# Altium PCB PCBA-2075-01.PcbDoc (part 2 of 2) (continued)
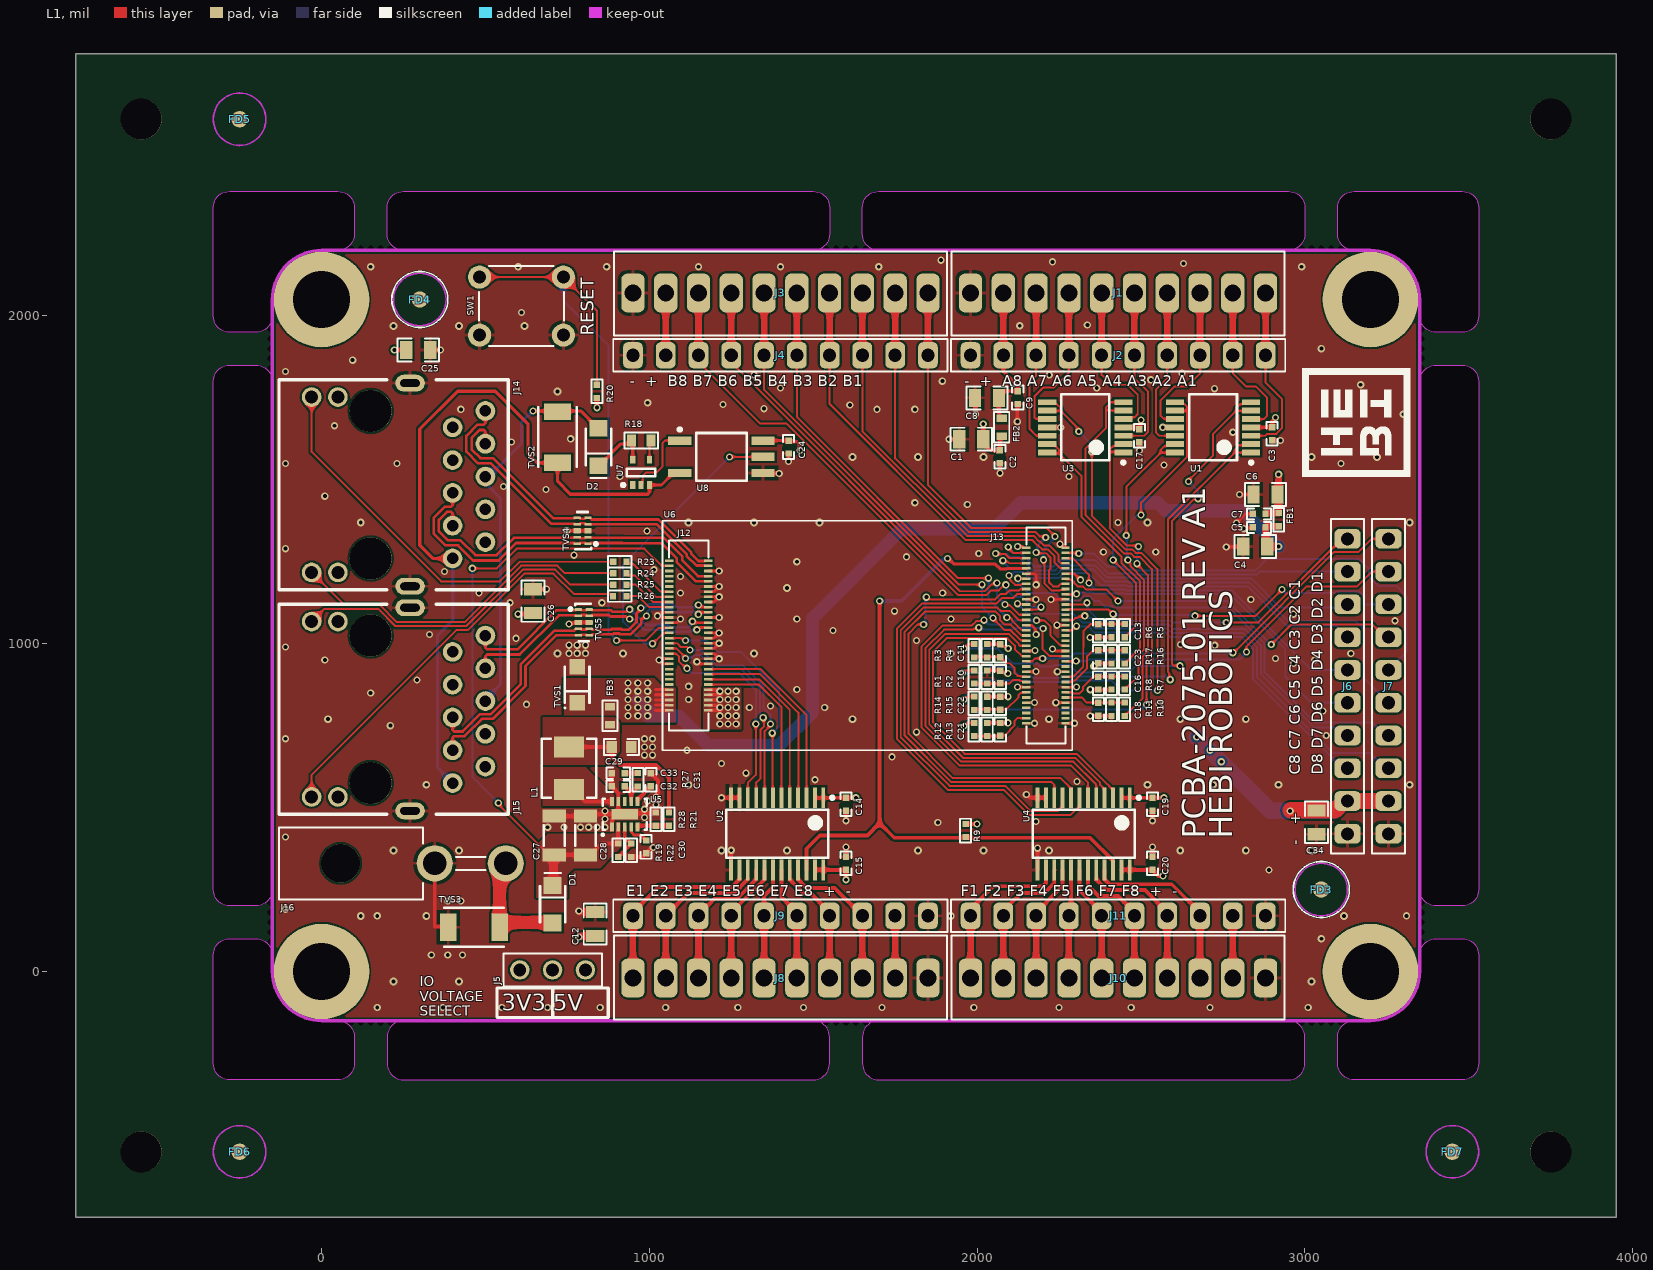
[diagram p0: L1 view]
## Nets (pads, with @x,y where several pads share a name; then routed paths per layer and width w, separated by ;. In a path a pad name is that pad's centre, name@x,y a point inside that pad or via, vN(x,y) a via of type N, cw(c..) or ccw(c..) an arc to the next point about the centre after c; other vN are vias at no path point) (continued)
PC9_PA9: J7.4 J13.13 U6.A13 | length 1112.3
  L1 w6: J13.13@2269.65,1198.23 2272.39,1195.48 2286.17,1195.48 2291.44,1190.21 2291.44,1190 2295,1190 2295,1186.72 2306.72,1175 2322.77,1175 2332.84,1164.93 2395.07,1164.93 v1(2430,1130) ; v1(2897.37,997.37) 2959,1059 3206,1059 3245,1020 J7.4@3255,1020
  L4 w6: v1(2430,1130) 2764.75,1130 v1(2897.37,997.37)
PC13: J12.34 U2.8 U6.B34 | length 700.2
  L1 w6: J12.34@1059.37,1001.38 1084.59,1001.38 1095.97,990 1115,990 1124.32,980.68 v1(1124.4,980.76) ; U2.8@1351.61,530.24 1351.61,733.36 1370,751.75 v1(1370,755)
  L4 w6: v1(1124.4,980.76) 1158.24,980.76 1204.87,934.13 1284.81,934.13 1349,869.94 1349,802.42 1370,781.42 v1(1370,755)
PD0_PD6: J6.7 J13.29 U6.A29 | length 1068.2
  L1 w6: J13.29@2269.65,1072.24 2293.32,1072.24 2298.93,1077.86 2304.56,1077.86 2309.46,1082.76 2326.15,1082.76 v1(2328.39,1085)
  L4 w6: v1(2328.39,1085) 2332.72,1085 2339.9,1077.82 2347.71,1077.82 2367.53,1058 2585.14,1058 2598.14,1045 2815.76,1045 2865.37,995.38 2865.37,907.66 3028.03,745 3089.49,745 3114.49,720 J6.7@3130,720
PD1_PD5: J6.8 J13.33 U6.A33 | length 1098.9
  L1 w6: J13.33@2269.65,1040.75 2288.61,1040.75 2301.28,1053.41 v1(2303.41,1053.41)
  L4 w6: v1(2303.41,1053.41) 2303.82,1053 2338.59,1053 2357.59,1034 2575.2,1034 2588.2,1021 2805.81,1021 2841.37,985.44 2841.37,893.63 3115,620 J6.8@3130,620
PD12_PB14: J6.1 J13.23 U6.A23 | length 1003.4
  L1 w6: J13.23@2269.65,1119.49 2325.16,1119.49 2330.67,1125 v1(2335,1125) ; v1(2760,1065) 2858.03,1065 3085.03,1292 3085.51,1292 3113.51,1320 J6.1@3130,1320
  L4 w6: v1(2335,1125) 2337.5,1122.5 2337.5,1105 2372.5,1070 2590.11,1070 2595.11,1065 v1(2760,1065)
PD13: J6.2 J13.4 U6.A4 | length 1156.3
  L1 w6: v1(2095,1295) 2095,1291.46 2109.5,1276.97 J13.4@2150.35,1276.97
  L4 w6: v1(2095,1295) 2095,1291.46 2109.5,1276.97 2133.03,1276.97 2174.06,1235.94 2233.94,1235.94 2253,1255 2360,1255 2401.21,1213.79 2470.96,1213.79 2473.75,1211 2852.97,1211 2861.97,1220 J6.2@3130,1220
PD14: J6.3 J13.6 U6.A6 | length 1257.9
  L1 w6: v1(2056.64,1275.15) 2058.41,1273.38 2086.62,1273.38 2098.78,1261.22 J13.6@2150.35,1261.22
  L4 w6: v1(2056.64,1275.15) 2058.41,1273.38 2092.59,1273.38 2101,1264.97 2127.03,1264.97 2148.6,1243.4 2149.63,1243.4 2169.09,1223.94 2238.94,1223.94 2254,1239 2359.03,1239 2396.24,1201.79 2465.99,1201.79 2468.77,1199 2836,1199 2925,1110 3120,1110 J6.3@3130,1120
PD15: J13.10 R9.2 U2.22 U4.22 U6.A10 | length 2341
  L1 w10: v1(1910,1260) 1912.77,1260 1929.77,1243 2055.89,1243 2070.89,1228 2089.11,1228 2090.84,1229.72 J13.10@2150.35,1229.72
  L1 w12: 1479.66,349.66 1479.66,309.86 U2.22@1479.57,309.76 1479.57,374.57 1520,415 1665,415 1702.67,452.67 ; v1(1702.67,1130) 1702.67,452.67 ; U4.22@2414.57,309.76 2414.57,338.55 2345,408.12 1965,408.12 1747.22,408.12 1702.67,452.67
  L4 w12: v1(1702.67,1130) 1770,1130 1898.09,1258.09 1908.09,1258.09 v1(1910,1260)
PE2: J12.45 U2.4 U6.B45 | length 584
  L1 w6: J12.45@1179.65,906.89 1338.11,906.89 1455,790 1455,546.02 1453.98,545 U2.4@1453.98,530.24
PE3: J12.43 U2.3 U6.B43 | length 609.2
  L1 w6: J12.43@1180.63,922.64 1339.33,922.64 1479.57,782.4 U2.3@1479.57,530.24
PE4: J12.47 U2.5 U6.B47 | length 554.4
  L1 w6: J12.47@1180.63,891.14 1335.83,891.14 1428.39,798.58 U2.5@1428.39,530.24
PE7: J3.5 J4.5 J13.34 U6.A34 | length 1388.5
  L1 w6: J4.5@1450,1880 1450,1691.72 1941.72,1200 v1(2035,1200) ; v1(2090.57,1080) 2093.63,1076.94 2103.93,1076.94 2105.5,1075.37 2106.2,1075.37 2106.2,1071.12 2135.58,1041.75 2149.35,1041.75 J13.34@2150.35,1040.75
  L1 w20: J4.5@1450,1880 J3.5@1450,2070
  L4 w6: v1(2035,1200) 2035,1135.57 v1(2090.57,1080)
PE8_PF11: J3.6 J4.6 J13.38 U6.A38 | length 1453.5
  L1 w6: J4.6@1350,1880 1350,1774.75 1944.75,1180 v1(2015,1180) ; v1(2048.54,1078) 2048.54,1076.78 2083.72,1041.59 2101.8,1041.59 2133.13,1010.25 2149.35,1010.25 J13.38@2150.35,1009.25
  L1 w20: J4.6@1350,1880 J3.6@1350,2070
  L4 w6: v1(2015,1180) 2015,1111.54 v1(2048.54,1078)
PE9: J13.36 U4.10 U6.A36 | length 1308.7
  L1 w6: J13.36@2150.35,1025 2149.35,1026 2134.36,1026 2102.33,1058.03 2084.25,1058.03 2069.55,1072.73 2069.55,1085.27 2056.82,1098 1841.03,1098 1779,1035.97 1779,719.94 1920.94,578 2227,578 2235.43,569.57 U4.10@2235.43,530.24
PE10: J3.7 J4.7 J13.28 U6.A28 | length 1475.6
  L1 w6: J4.7@1250,1880 1269.59,1860.41 1269.59,1838.18 1947.77,1160 2023.28,1160 2045.22,1181.94 2056.94,1181.94 v1(2060,1185) ; v1(2085,1120) 2088.06,1116.94 2100.08,1116.94 2129.03,1087.99 J13.28@2150.35,1087.99
  L1 w20: J4.7@1250,1880 J3.7@1250,2070
  L4 w6: v1(2060,1185) 2060,1145 v1(2085,1120)
PE11: J13.30 U4.9 U6.A30 | length 1371.7
  L1 w6: J13.30@2149.37,1072.24 2127.81,1072.24 2100.05,1100 2071.79,1100 2061.79,1110 1836.06,1110 1767,1040.94 1767,714.97 1915.97,566 2085.97,566 2162.23,489.74 2246.12,489.74 2261.02,504.65 U4.9@2261.02,530.24
PE12: J7.8 J13.24 U6.A24 | length 1421.6
  L1 w6: v1(2123.26,1122.05) 2124.82,1120.49 2149.35,1120.49 J13.24@2150.35,1119.49
  L4 w6: v1(2123.26,1122.05) 2153.86,1091.44 2293.67,1091.44 2320.11,1065 2343.56,1065 2362.56,1046 2580.17,1046 2593.17,1033 2810.79,1033 2853.37,990.41 2853.37,898.6 3084.67,667.3 3197.7,667.3 3245,620 J7.8@3255,620
PE13: J13.18 U4.8 U6.A18 | length 1363.2
  L1 w6: v1(1836.94,1058.93) 1818.93,1058.93 1791,1031 1791,724.91 1925.91,590 2255,590 2283.71,561.29 2283.71,533.14 U4.8@2286.61,530.24 ; v1(1845,1142) 1849.33,1142 1856.33,1135 2054.75,1135 2071.75,1152 2088.08,1152 2099.07,1162.98 2128.28,1162.98 2132.03,1166.73 J13.18@2149.37,1166.73
  L4 w6: v1(1836.94,1058.93) 1836.94,1060.95 1842.5,1066.51 1842.5,1139.5 v1(1845,1142)
PE14: J13.20 U4.7 U6.A20 | length 1464.9
  L1 w6: J13.20@2150.35,1150.98 2121.63,1150.98 2110.65,1140 2076.72,1140 2058.72,1122 1831.09,1122 1755,1045.91 1755,710 1911,554 2081,554 2157.26,477.74 2285.3,477.74 2312.2,504.65 U4.7@2312.2,530.24
PF2: J12.49 U2.6 U6.B49 | length 527.4
  L1 w6: J12.49@1180.63,875.39 1334.61,875.39 1402.8,807.2 U2.6@1402.8,530.24
PF6: J12.38 U2.10 U6.B38 | length 659.6
  L1 w6: J12.38@1059.37,969.88 1081.39,969.88 1090,961.27 1090,946.72 1111.72,925 v1(1115,925) ; U2.10@1300.43,530.24 1300.43,575.43 1325,600 v1(1325,755)
  L4 w6: v1(1115,925) 1129.87,910.13 1274.87,910.13 1325,860 v1(1325,755)
PF7_ADC3_CH5: J13.67 U6.A67
PF8_ADC3_CH6: J13.60 U6.A60
PF9_ADC3_CH7: J13.65 U6.A65
PF10_ADC3_CH8: J13.63 U6.A63
PG9_PF0: J13.35 U6.A35
PG12: J13.37 U6.A37
PG13_PB4: J13.39 U4.6 U6.A39 | length 1402.8
  L1 w6: v1(2021.23,1071.73) 2018.41,1068.91 1996.72,1068.91 1982.8,1055 1894.09,1055 1830,990.91 1830,745 1947,628 2287,628 2337.8,577.2 U4.6@2337.8,530.24 ; v1(2180.83,1071.44) 2204.78,1071.44 2223.5,1052.71 2223.5,1025.87 2255.38,994 J13.39@2270.14,994
  L4 w6: v1(2021.23,1071.73) 2022.06,1071.73 2035.78,1058 2101.17,1058 2114.61,1071.44 v1(2180.83,1071.44)
PG14_PB5: J13.43 U4.5 U6.A43 | length 1405.3
  L1 w6: v1(2005,1048.91) 2001.94,1045.85 1990.62,1045.85 1987.77,1043 1899.06,1043 1842,985.94 1842,749.97 1951.97,640 2293.83,640 2363.39,570.45 U4.5@2363.39,530.24 ; v1(2201.59,1046.34) 2200.15,1044.89 2200.15,983.13 2221.28,962.01 J13.43@2269.65,962.01 J13.43@2270.14,962.5
  L4 w6: v1(2005,1048.91) 2009.33,1048.91 2014.63,1043.61 2108.79,1043.61 2113.52,1048.34 2199.6,1048.34 v1(2201.59,1046.34)
PG15: J12.36 U2.9 U6.B36 | length 679.6
  L1 w6: J12.36@1059.37,985.63 1082.61,985.63 1110,958.24 v1(1110,955) ; U2.9@1326.02,530.24 1326.02,576.02 1339.61,589.61 1339.61,738.33 1350,748.72 1350,771.72 v1(1347.38,774.34)
  L4 w6: v1@1116.94,958.06 1129.78,958.06 1136.72,965 1157.03,965 1199.89,922.13 1279.84,922.13 1337,864.97 1337,785.86 1347.38,775.48 v1(1347.38,774.34)
PH4_PI7: J13.47 U6.A47
PH5_PF1: J13.48 U6.A48
PH6_PH12: J3.8 J4.8 J13.26 U6.A26 | length 1646.2
  L1 w6: J4.8@1150,1880 1169.59,1860.41 1169.59,1840.41 1338.35,1671.65 1419.15,1671.65 1942.8,1148 2028.25,1148 2043.25,1163 2066.54,1163 2083.15,1179.61 v1(2087.48,1179.61) ; J13.26@2150.35,1103.74 2182.97,1103.74 2190.67,1111.44 v1(2195,1111.44)
  L1 w20: J4.8@1150,1880 J3.8@1150,2070
  L4 w6: v1(2087.48,1179.61) 2089.58,1177.51 2089.58,1165.42 2112.95,1142.05 2137.95,1142.05 2168.56,1111.44 v1(2195,1111.44)
PH7_PH11: J7.3 J13.25 U6.A25 | length 1064
  L1 w6: J13.25@2269.65,1103.74 2270.91,1105 2400,1105 v1(2415,1090) ; v1(2665,1085) 2849.75,1085 v1(2929.87,1165.13)
  L4 w6: v1(2415,1090) 2417.5,1087.5 2662.5,1087.5 v1(2665,1085) ; v1(2929.87,1165.13) 2940,1155 3091.06,1155 3095.06,1159 3164.94,1159 3179,1144.94 3179,1120 J7.3@3255,1120
PH8_PH10: J13.27 U6.A27
PH9_PB15: J7.6 J13.8 U6.A8 | length 1534.2
  L1 w6: v1(2078.34,1253.38) 2081.4,1250.32 2092.71,1250.32 2097.56,1245.47 J13.8@2150.35,1245.47
  L4 w6: v1(2078.34,1253.38) 2078.34,1251.66 2098.6,1231.4 2144.66,1231.4 2164.12,1211.94 2243.91,1211.94 2258.97,1227 2354.06,1227 2391.27,1189.79 2461.02,1189.79 2463.8,1187 2829.97,1187 2946.97,1070 3153.94,1070 3179,1044.94 3179,896 3225.41,849.59 3225.41,846.09 3251.49,820 J7.6@3255,820
PH13_PD3: J3.1 J4.1 J13.17 U6.A17 | length 1271.7
  L1 w6: J4.1@1850,1880 1850,1485 1982.03,1352.97 2212.03,1352.97 v1(2237.67,1327.33) ; v1(2202.37,1255.94) 2205,1253.31 2205,1184.6 2226.6,1163 2252.14,1163 2253.12,1163.98 2266.9,1163.98 J13.17@2269.65,1166.73
  L1 w20: J4.1@1850,1880 J3.1@1850,2070
  L4 w6: v1(2202.37,1255.94) 2202.15,1256.16 2202.15,1286.04 2224.29,1308.18 2224.29,1311.01 2237.67,1324.39 v1(2237.67,1327.33)
PH14_PA10: J3.4 J4.4 J13.9 U6.A9 | length 1277.4
  L1 w6: J4.4@1550,1880 1550,1731.26 1964.29,1316.97 2167.4,1316.97 2184.99,1299.38 2186.95,1299.38 2198.4,1287.94 2215.62,1287.94 2235.85,1267.71 2235.85,1248.52 2253.65,1230.72 2268.65,1230.72 J13.9@2269.65,1229.72
  L1 w20: J4.4@1550,1880 J3.4@1550,2070
PH15_PD2: J3.2 J4.2 J13.15 U6.A15 | length 1308.1
  L1 w6: J4.2@1750,1880 1750,1565.2 1974.23,1340.97 2177.35,1340.97 2190.81,1327.51 2206.38,1327.51 v1(2209.44,1324.44) ; v1(2180.15,1277.9) 2182.11,1275.94 2210.65,1275.94 2223.85,1262.74 2223.85,1229.23 2219.85,1225.23 2219.85,1186.72 2231.57,1175 2248.13,1175 2255.62,1182.48 J13.15@2269.65,1182.48
  L1 w20: J4.2@1750,1880 J3.2@1750,2070
  L4 w6: v1(2180.15,1277.9) 2183.21,1280.96 2183.21,1298.21 v1(2209.44,1324.44)
PI1_PA11: J3.3 J4.3 J13.7 U6.A7 | length 1219.5
  L1 w6: J4.3@1650,1880 1650,1648.23 1969.26,1328.97 2172.37,1328.97 2189.96,1311.38 2191.92,1311.38 2203.37,1299.94 2220.59,1299.94 2247.85,1272.68 2247.85,1253.49 2254.87,1246.47 2268.65,1246.47 J13.7@2269.65,1245.47
  L1 w20: J4.3@1650,1880 J3.3@1650,2070
PI2_PA12: J7.5 J13.3 U6.A3 | length 1388.1
  L1 w6: J13.3@2269.65,1276.97 2308.03,1276.97 v1(2310,1275)
  L4 w6: v1(2310,1275) 2356.97,1275 2396.97,1235 2444.97,1235 2454.18,1225.79 2475.93,1225.79 2478.72,1223 2848,1223 2884,1259 3164.94,1259 3195,1228.94 3195,1206.06 3225.53,1175.53 3279.47,1175.53 3310,1145 3310,975 3284.59,949.59 3284.59,946.09 3258.51,920 J7.5@3255,920
PI3: J6.6 J13.19 U6.A19 | length 1053.1
  L1 w6: J13.19@2269.65,1150.98 2270.63,1150 2303.04,1150 v1(2303.04,1152.09)
  L4 w6: v1(2303.04,1152.09) 2306.1,1155.15 2319.9,1155.15 2321.75,1157 2352.09,1157 2355.3,1153.79 2446.11,1153.79 2448.89,1151 2772.03,1151 2940,983.03 2940,900 3020,820 J6.6@3130,820
PI5_PE0: J7.1 J13.46 U6.A46 | length 1259.5
  L1 w6: J13.46@2150.35,946.26 2168.64,946.26 2177.38,955 v1(2200,955) ; v1(2780,972.54) 2782.54,972.54 3090,1280 3163.94,1280 3203.94,1320 J7.1@3255,1320
  L4 w6: v1(2200,955) 2281.72,955 2296.72,970 2777.46,970 v1(2780,972.54)
PI6_PE1: J7.2 J13.45 U6.A45 | length 1110.5
  L1 w6: J13.45@2269.65,946.26 2301.26,946.26 v1(2302.26,947.26) ; v1(2821.37,974.38) 2821.37,991.37 3005,1175 3158.94,1175 3203.94,1220 J7.2@3255,1220
  L4 w6: v1(2302.26,947.26) 2333.17,947.26 2337.43,951.52 2609.7,951.52 2610.72,952.54 2802.54,952.54 2821.37,971.37 v1(2821.37,974.38)
RESET: J12.28 R20.1 SW1.1 U6.B28 | length 1977.7
  L1 w6: SW1.1@482.05,2118.58 SW1.1@737.95,2118.58 840,2016.54 R20.1@840,1790.18 ; v1(900,1010) 990,1010 1028.62,1048.62 J12.28@1059.37,1048.62
  L4 w6: SW1.1@737.95,2118.58 737.95,2047.05 875,1910 875,1035 v1(900,1010)
RX1_N: J12.7 J14.3 TVS4.2 TVS4.9 U6.B7 | length 1060.3
  L1 w8: J14.3@400,1360 400,1397.31 395.31,1402 382.6,1402 358,1377.4 358,1342.6 384.6,1316 423.2,1316 469.2,1270 533.99,1270 587.15,1323.16 771.1,1323.16 772.94,1325 TVS4.9@780,1325 787.06,1325 789.9,1322.16 802.97,1322.16 805.81,1325 819.93,1325 821.78,1323.16 923.8,1323.16 924.17,1322.79 1044.47,1322.79 1100,1267.27 1100,1254.81 1148.46,1206.35 J12.7@1180.38,1206.35
RX1_P: J12.9 J14.5 TVS4.1 TVS4.10 U6.B9 | length 1113.5
  L1 w8: J14.5@400,1460 400,1422.69 395.31,1418 375.98,1418 342,1384.02 342,1335.98 377.98,1300 416.57,1300 462.57,1254 540.62,1254 593.77,1307.16 771.1,1307.16 772.94,1305.31 TVS4.10@780,1305.31 787.06,1305.31 789.9,1308.16 802.97,1308.16 805.81,1305.31 TVS4.1@812.87,1305.31 819.93,1305.31 821.78,1307.16 917.18,1307.16 917.54,1306.79 1037.85,1306.79 1084,1260.64 1084,1248.19 1141.83,1190.35 J12.9@1180.63,1190.35
RX2_N: J12.21 J15.3 TVS5.5 TVS5.6 U6.B21 | length 1013.2
  L1 w8: J15.3@400.8,679.2 400,680 400,713.31 404.69,718 436.43,718 489.43,771 522.37,771 622.26,870.89 622.26,931.96 715.65,1025.35 769.15,1025.35 769.59,1025.79 776.34,1025.79 TVS5.5@776.44,1025.69 ; TVS5.5@790.69,1025.69 792.46,1027.47 807.54,1027.47 TVS5.6@809.31,1025.69 ; TVS5.6@823.56,1025.69 826.34,1028.47 888.77,1028.47 891.3,1031 908.7,1031 911.23,1028.47 942.97,1028.47 975,1060.5 975,1075.22 978.79,1075.22 987.95,1084.39 v1(991.74,1084.39) ; v1(1149.52,1089.74) 1155.65,1095.87 J12.21@1180.63,1095.87
  L4 w8: v1(991.74,1084.39) 994.36,1087.01 994.36,1098.29 1002.07,1106 1065.12,1106 1074.38,1096.74 1138.74,1096.74 1145.74,1089.74 v1(1149.52,1089.74)
RX2_P: J12.19 J15.5 TVS5.4 TVS5.7 U6.B19 | length 1021.4
  L1 w8: J15.5@400,775 400,736.69 404.69,732 430.63,732 483.63,785 516.57,785 608.26,876.69 608.26,937.76 709.85,1039.35 763.35,1039.35 763.79,1039.79 770.98,1039.79 TVS5.4@776.44,1045.25 ; TVS5.4@790.69,1045.25 792.46,1043.47 807.54,1043.47 TVS5.7@809.31,1045.25 ; TVS5.7@823.56,1045.25 826.34,1042.47 882.98,1042.47 885.5,1045 914.5,1045 917.02,1042.47 937.17,1042.47 961,1066.3 961,1092.21 973.98,1105.19 v1(973.98,1108.98) ; v1(1149.52,1117.74) 1155.65,1111.61 J12.19@1180.63,1111.61
  L4 w8: v1(973.98,1108.98) 976.6,1111.6 987.88,1111.6 996.28,1120 1070.92,1120 1080.18,1110.74 1138.74,1110.74 1145.74,1117.74 v1(1149.52,1117.74)
SWCLK: J12.50 U6.B50
SWDIO: J12.48 U6.B48
TX1_N: J12.1 J14.8 TVS4.5 TVS4.6 U6.B1 | length 982.8
  L1 w8: J14.8@500,1610 500,1647.31 495.31,1652 482.6,1652 458,1627.4 458,1592.6 484.6,1566 523.2,1566 706.98,1382.21 771.1,1382.21 772.94,1384.06 TVS4.6@780,1384.06 787.06,1384.06 789.9,1381.21 802.97,1381.21 TVS4.5@805.75,1383.99 ; TVS4.5@820,1383.99 820,1383.54 824.75,1378.79 1028.07,1378.79 1128,1278.87 1128,1274.06 1149.58,1252.47 1169.98,1252.47 1170.85,1253.35 J12.1@1180.63,1253.35
TX1_P: J12.3 J14.10 TVS4.4 TVS4.7 U6.B3 | length 1047.2
  L1 w8: J14.10@500,1710 500,1672.69 495.31,1668 475.98,1668 442,1634.02 442,1585.98 477.98,1550 516.57,1550 700.36,1366.21 771.1,1366.21 772.94,1364.37 TVS4.7@780,1364.37 787.06,1364.37 789.9,1367.21 802.97,1367.21 805.81,1364.37 TVS4.4@812.87,1364.37 ; TVS4.4@813.3,1364.79 1022.27,1364.79 1114,1273.07 1114,1268.26 1143.78,1238.47 1169.98,1238.47 1170.85,1237.6 J12.3@1180.63,1237.6
TX2_N: J12.27 J15.8 TVS5.2 TVS5.9 U6.B27 | length 771.9
  L1 w8: J15.8@500,925 500,962.31 504.69,967 604.33,967 723.85,1086.53 774.66,1086.53 TVS5.2@776.44,1084.75 ; TVS5.2@790.69,1084.75 793.46,1087.53 806.54,1087.53 TVS5.9@809.31,1084.75 ; TVS5.9@823.56,1084.75 826.34,1087.53 877.16,1087.53 881.68,1083 928.31,1083 936.31,1075 v1(940,1075) ; v1(1145,1042.5) 1148,1042.5 1155,1049.5 1169.98,1049.5 1170.85,1048.62 J12.27@1180.63,1048.62
  L4 w8: v1(940,1075) 942.45,1072.55 954.08,1072.55 983.63,1043 1052.4,1043 1058.77,1036.63 1125.14,1036.63 1129.74,1041.23 1143.74,1041.23 v1(1145,1042.5)
TX2_P: J12.25 J15.10 TVS5.1 TVS5.10 U6.B25 | length 798.3
  L1 w8: J15.10@500,1025 500,987.69 504.69,983 597.7,983 717.23,1102.53 774.66,1102.53 TVS5.1@776.44,1104.31 ; TVS5.1@790.69,1104.31 793.46,1101.53 806.54,1101.53 TVS5.10@809.31,1104.31 ; TVS5.10@823.56,1104.31 826.34,1101.53 882.95,1101.53 887.48,1097 928.31,1097 936.31,1105 v1(940,1105) ; v1(1131.29,1068.38) v1@1131.29,1063.5 ; J12.25@1180.63,1064.37 1170.85,1064.37 1169.98,1063.5 v1@1131.29,1063.5 ; v1@1131.29,1063.5 1126.5,1063.5 1130,1060 1131.29,1061.29 v1@1131.29,1063.5
  L4 w8: v1@943.39,1102.88 943.54,1102.88 989.43,1057 1058.2,1057 1064.57,1050.63 1119.34,1050.63 1125.92,1057.22 1125.92,1059.23 1131.29,1064.59 v1(1131.29,1068.38)
V_IN: D1.A J16.2 TVS3.A | length 381.7
  L1 w40: J16.2@561.97,330 561.97,310.99 543.15,292.18 543.15,150 TVS3.A@543.15,135 543.15,145 548.15,150 D1.A@710,150
V_REF: J13.66 U6.A66
VBUS: C27.2 C28.2 D1.C J12.4 R19.2 U5.2 U6.B4 | length 1993.7
  L1 w6: v1(460,1230) 535,1230 595,1290 985,1290 1037.4,1237.6 J12.4@1059.37,1237.6 ; v1(539.31,514.18) 539.31,510.88 696.75,353.44 C27.2@707.5,353.44
  L1 w12: C27.2@710,355.94 C28.2@805,355.94 ; C28.2@814.96,345.98 C28.2@805,355.94 ; U5.2@905.22,440.93 U5.2@905.31,441.02 905.31,433.34 905,433.02 R19.2@905,390.18 854.98,390.18 820.75,355.94 C28.2@805,355.94
  L1 w25: D1.C@705,269.96 707.5,272.46 707.5,353.44 C27.2@710,355.94
  L4 w6: v1(460,1230) 460,593.49 v1(539.31,514.18)
VCC_A: C8.2 C9.2 FB2.2 J1.9 J2.9 | length 416.8
  L1 w10: FB2.2@2066.42,1696.72 C8.2@2066.42,1750 ; C8.2@2078,1770.69 C9.2@2124,1770.69 2124,1787 2080,1831 J2.9@2080,1880
  L1 w20: J2.9@2080,1880 J1.9@2080,2070
VCC_IO: C1.2 C2.1 C12.2 C15.2 C20.2 FB2.1 J3.9 J4.9 J5.2 J8.9 J9.9 J10.9 J11.9 U2.23 U2.24 U4.23 U4.24 | length 1055.1
  L1 w10: v1(2018.7,1670) C1.2@2018.7,1623.79 2018.7,1612.11 2041.13,1589.69 C2.1@2069.69,1589.69 2069.69,1627.3 FB2.1@2075,1632.62
  L1 w12: U2.23@1505.16,309.76 1505.16,310.22 1505.25,310.31 C15.2@1600,310.31 v1(1600,280) ; U4.23@2440.16,309.76 2440.16,310.22 2440.25,310.31 C20.2@2535,310.31 2553.31,292 v1(2566.77,292)
  L1 w20: v1(785,105) 788.58,108.58 C12.2@835,108.58 ; J4.9@1050,1880 J3.9@1050,2070 ; J8.9@1750,-22.56 J9.9@1750,167.44 ; J10.9@2780,-22.56 J11.9@2780,167.44 ; J11.9@2780,170 J11.9@2780,180
VDDA: J13.64 U6.A64
pads on no net: FD1.F FD2.F FD3.F FD4.F FD5.F FD6.F FD7.F FD8.F FD9.F FD10.F J14.0 J14.2 J14.7 J15.0 J15.2 J15.7 J16.0 ST1.1 ST2.1 ST3.1 ST4.1 U5.8 U7.1

## Polygon pours and split planes (outlines as drawn)
3V3 on L3 "NO_THERMAL" (solid, remove dead copper, pour order 34): 835,1771.12 936.12,1670 1445,1670 1645,1470 2560,1470 2760,1270 2760,635 2565,440 649.03,440 649.03,-150 -150,-150 -150,2200 835,2200
VCC_IO on L3 "NO_THERMAL" (solid, remove dead copper, pour order 64): 3350,2195 3350,-149.53 -150,-149.53 -150,2195
GND on L2 "NO_THERMAL" (solid, remove dead copper, pour order 30): -150,-150 -149.53,1605 -150,2200 3350,2200 3350,-150
GND on L4 "gnd" (solid, remove dead copper, pour order 105): -150,2200 -150,-150 750,-150 3350,-150 3350,2200
5V on L4 "NO_THERMAL" (solid, remove dead copper, pour order 102): 1055.59,709.91 790,710 790,225 910,105 910,-70 535,-70 535,855 570,890 1054.34,890
5VA on L4 "5V" (solid, remove dead copper, pour order 32): 2440,1800 2970,1800 2970,1490 2440,1490
GND on L1 "gnd" (solid, remove dead copper, pour order 113): -150,2200 -150,-150 680,-150 1150,-150 3350,-150 3350,2200
GND on L1 "NO_THERMAL" (solid, pour order 114): 1045,370 1005,330 745,330 655,420 655,620 675,640 995,640 1045,590
GND on L1 "NO_THERMAL" (solid, pour order 112): 740,900 820,900 820,1010.59 740,1010.59
5V on L1 "NO_THERMAL" (solid, pour order 111): 740,775 895,775 910,760 1080,760 1080,870 1040,870 1015,895 740,895
GND on L1 "NO_THERMAL" (solid, pour order 110): 910,725 910,645 1025,645 1025,725
NetC29_2 on L1 "NO_THERMAL" (solid, pour order 82): 675,775 895,775 910,760 910,670 870,630 675,630
NetL1_1 on L1 "NO_THERMAL" (solid, pour order 99): 675,625 805,625 895,535 895,500 880,500 875,505 675,505
VBUS on L1 "NO_THERMAL" (solid, pour order 109): 655,225 750,225 750,295 770,315 850,315 915,380 915,455 895,455 895,430 885,420 690,420 655,385
3V3 on L1 "NO_THERMAL" (solid, remove dead copper, pour order 104): 1165,870 1280,870 1280,738.51 1165,738.51

## Keep-outs
Keep-Out Layer:
  lines w10: -150,-0.33 -150,50 -150,2000 -150,2050.33 ; -150,0 ccw(c0,0) 0,-150 ; -150,230.87 -150,1819.13 ; -150,2050 cw(c0,2050) 0,2200 ; -0.33,-150 50,-150 3150,-150 3200.33,-150 ; -0.33,2200 50,2200 3150,2200 3200.33,2200 ; 230,-150 1519.13,-150 ; 230.87,2200 1520,2200 ; 1680,-150 2969.13,-150 2284.35,-150 ; 1680.87,2200 2970,2200 ; 3200,-150 ccw(c3200,0) 3350,0 ; 3200,2200 cw(c3200,2050) 3350,2050 ; 3350,-0.33 3350,50 3350,2000 3350,2050.33 ; 3350,230 3350,1820

## Silkscreen, mask and mechanical layers (free items; w line width, h text height)
Top Overlay:
  drawing of 19 lines, arcs and shapes, not listed
  text "RESET" at 830,1940 h40 r90
  text "-  +  B8 B7 B6 B5 B4 B3 B2 B1" at 940,1785 h33
  text "-  +  A8 A7 A6 A5 A4 A3 A2 A1" at 1960,1785 h33
  text "C8 C7 C6 C5 C4 C3 C2 C1" at 2985,600 h33 r90
  text "D8 D7 D6 D5 D4 D3 D2 D1" at 3055,600 h33 r90
  text "PCBA-2075-01 REV A1" at 2719.24,405 h120 r90
  text "HEBI ROBOTICS" at 2801.47,405 h120 r90
  text "-   +" at 2985,385 h33 r90
  text "E1 E2 E3 E4 E5 E6 E7 E8  +  -" at 930,230 h33
  text "F1 F2 F3 F4 F5 F6 F7 F8  +  -" at 1950,230 h33
  text "3V3 5V" at 550,-120 h50
  text "IO  / VOLTAGE / SELECT" at 300,-135 h30
Bottom Overlay:
  lines w10: 850,1050 2950,1050 ; 1900,300 1900,1750
  text "B1  / B2 / B3 / B4 / B5 / B6 / B7 / B8 / VCC I/O / GND" at 910,1410 h57 r270
  text "A1 / A2 / A3 / A4 / A5 / A6 / A7 / A8 / VCC I/O / GND" at 1940,1410 h57 r270
  text "DIGITAL INPUTS" at 1360,1220 h57 r270
  text "ANALOG INPUTS" at 2390,1200 h57 r270
  text "PWM OUTPUTS" at 2200,470 h57 r270
  text "DIGITAL OUTPUTS" at 1170,450 h57 r270
  text "GND / VCC I/O / E8 / E7 / E6 / E5 / E4 / E3 / E2 / E1" at 910,230 h57 r270
  text "GND / VCC I/O / F8 / F7 / F6 / F5 / F4 / F3 / F2 / F1" at 1940,230 h57 r270
  text "Power:  / 12-48V DC" at 635,5 h50
Panel Outline:
  lines w5: -750,-750 -750,2800 3950,2800 3950,-750 -750,-750 ; -330,-280 ccw(c-280,-280) -280,-330 50,-330 ccw(c50,-280) 100,-280 100,-200 ccw(c50,-200) 50,-150 0,-150 cw(c0,0) -150,0 -150,50 ccw(c-200,50) -200,100 -280,100 ccw(c-280,50) -330,50 -330,-280 ; -330,250 ccw(c-280,250) -280,200 -200,200 ccw(c-200,250) -150,250 -150,1800 ccw(c-200,1800) -200,1850 -280,1850 ccw(c-280,1800) -330,1800 -330,250 ; -330,2000 ccw(c-280,2000) -280,1950 -200,1950 ccw(c-200,2000) -150,2000 -150,2050 cw(c0,2050) 0,2200 50,2200 ccw(c50,2250) 100,2250 100,2330 ccw(c50,2330) 50,2380 -280,2380 ccw(c-280,2330) -330,2330 -330,2000 ; 200,-280 ccw(c250,-280) 250,-330 1500,-330 ccw(c1500,-280) 1550,-280 1550,-200 ccw(c1500,-200) 1500,-150 250,-150 ccw(c250,-200) 200,-200 200,-280 ; 200,2250 ccw(c250,2250) 250,2200 1500,2200 ccw(c1500,2250) 1550,2250 1550,2330 ccw(c1500,2330) 1500,2380 250,2380 ccw(c250,2330) 200,2330 200,2250 ; 1650,-280 ccw(c1700,-280) 1700,-330 2950,-330 ccw(c2950,-280) 3000,-280 3000,-200 ccw(c2950,-200) 2950,-150 1700,-150 ccw(c1700,-200) 1650,-200 1650,-280 ; 1650,2250 ccw(c1700,2250) 1700,2200 2950,2200 ccw(c2950,2250) 3000,2250 3000,2330 ccw(c2950,2330) 2950,2380 1700,2380 ccw(c1700,2330) 1650,2330 1650,2250 ; 3100,-280 ccw(c3150,-280) 3150,-330 3480,-330 ccw(c3480,-280) 3530,-280 3530,50 ccw(c3480,50) 3480,100 3400,100 ccw(c3400,50) 3350,50 3350,0 cw(c3200,0) 3200,-150 3150,-150 ccw(c3150,-200) 3100,-200 3100,-280 ; 3100,2250 ccw(c3150,2250) 3150,2200 3200,2200 cw(c3200,2050) 3350,2050 3350,2000 ccw(c3400,2000) 3400,1950 3480,1950 ccw(c3480,2000) 3530,2000 3530,2330 ccw(c3480,2330) 3480,2380 3150,2380 ccw(c3150,2330) 3100,2330 3100,2250 ; 3350,250 ccw(c3400,250) 3400,200 3480,200 ccw(c3480,250) 3530,250 3530,1800 ccw(c3480,1800) 3480,1850 3400,1850 ccw(c3400,1800) 3350,1800 3350,250
Board Outline:
  lines w5: -150,-0.33 -150,50 -150,2000 -150,2050.33 ; -150,0 ccw(c0,0) 0,-150 ; -150,2050 cw(c0,2050) 0,2200 ; -0.33,-150 50,-150 3150,-150 3200.33,-150 ; -0.33,2200 50,2200 3150,2200 3200.33,2200 ; 3200,-150 ccw(c3200,0) 3350,0 ; 3200,2200 cw(c3200,2050) 3350,2050 ; 3350,-0.33 3350,50 3350,2000 3350,2050.33